# Altium PCB MB988.PcbDoc (part 4 of 4) (continued)
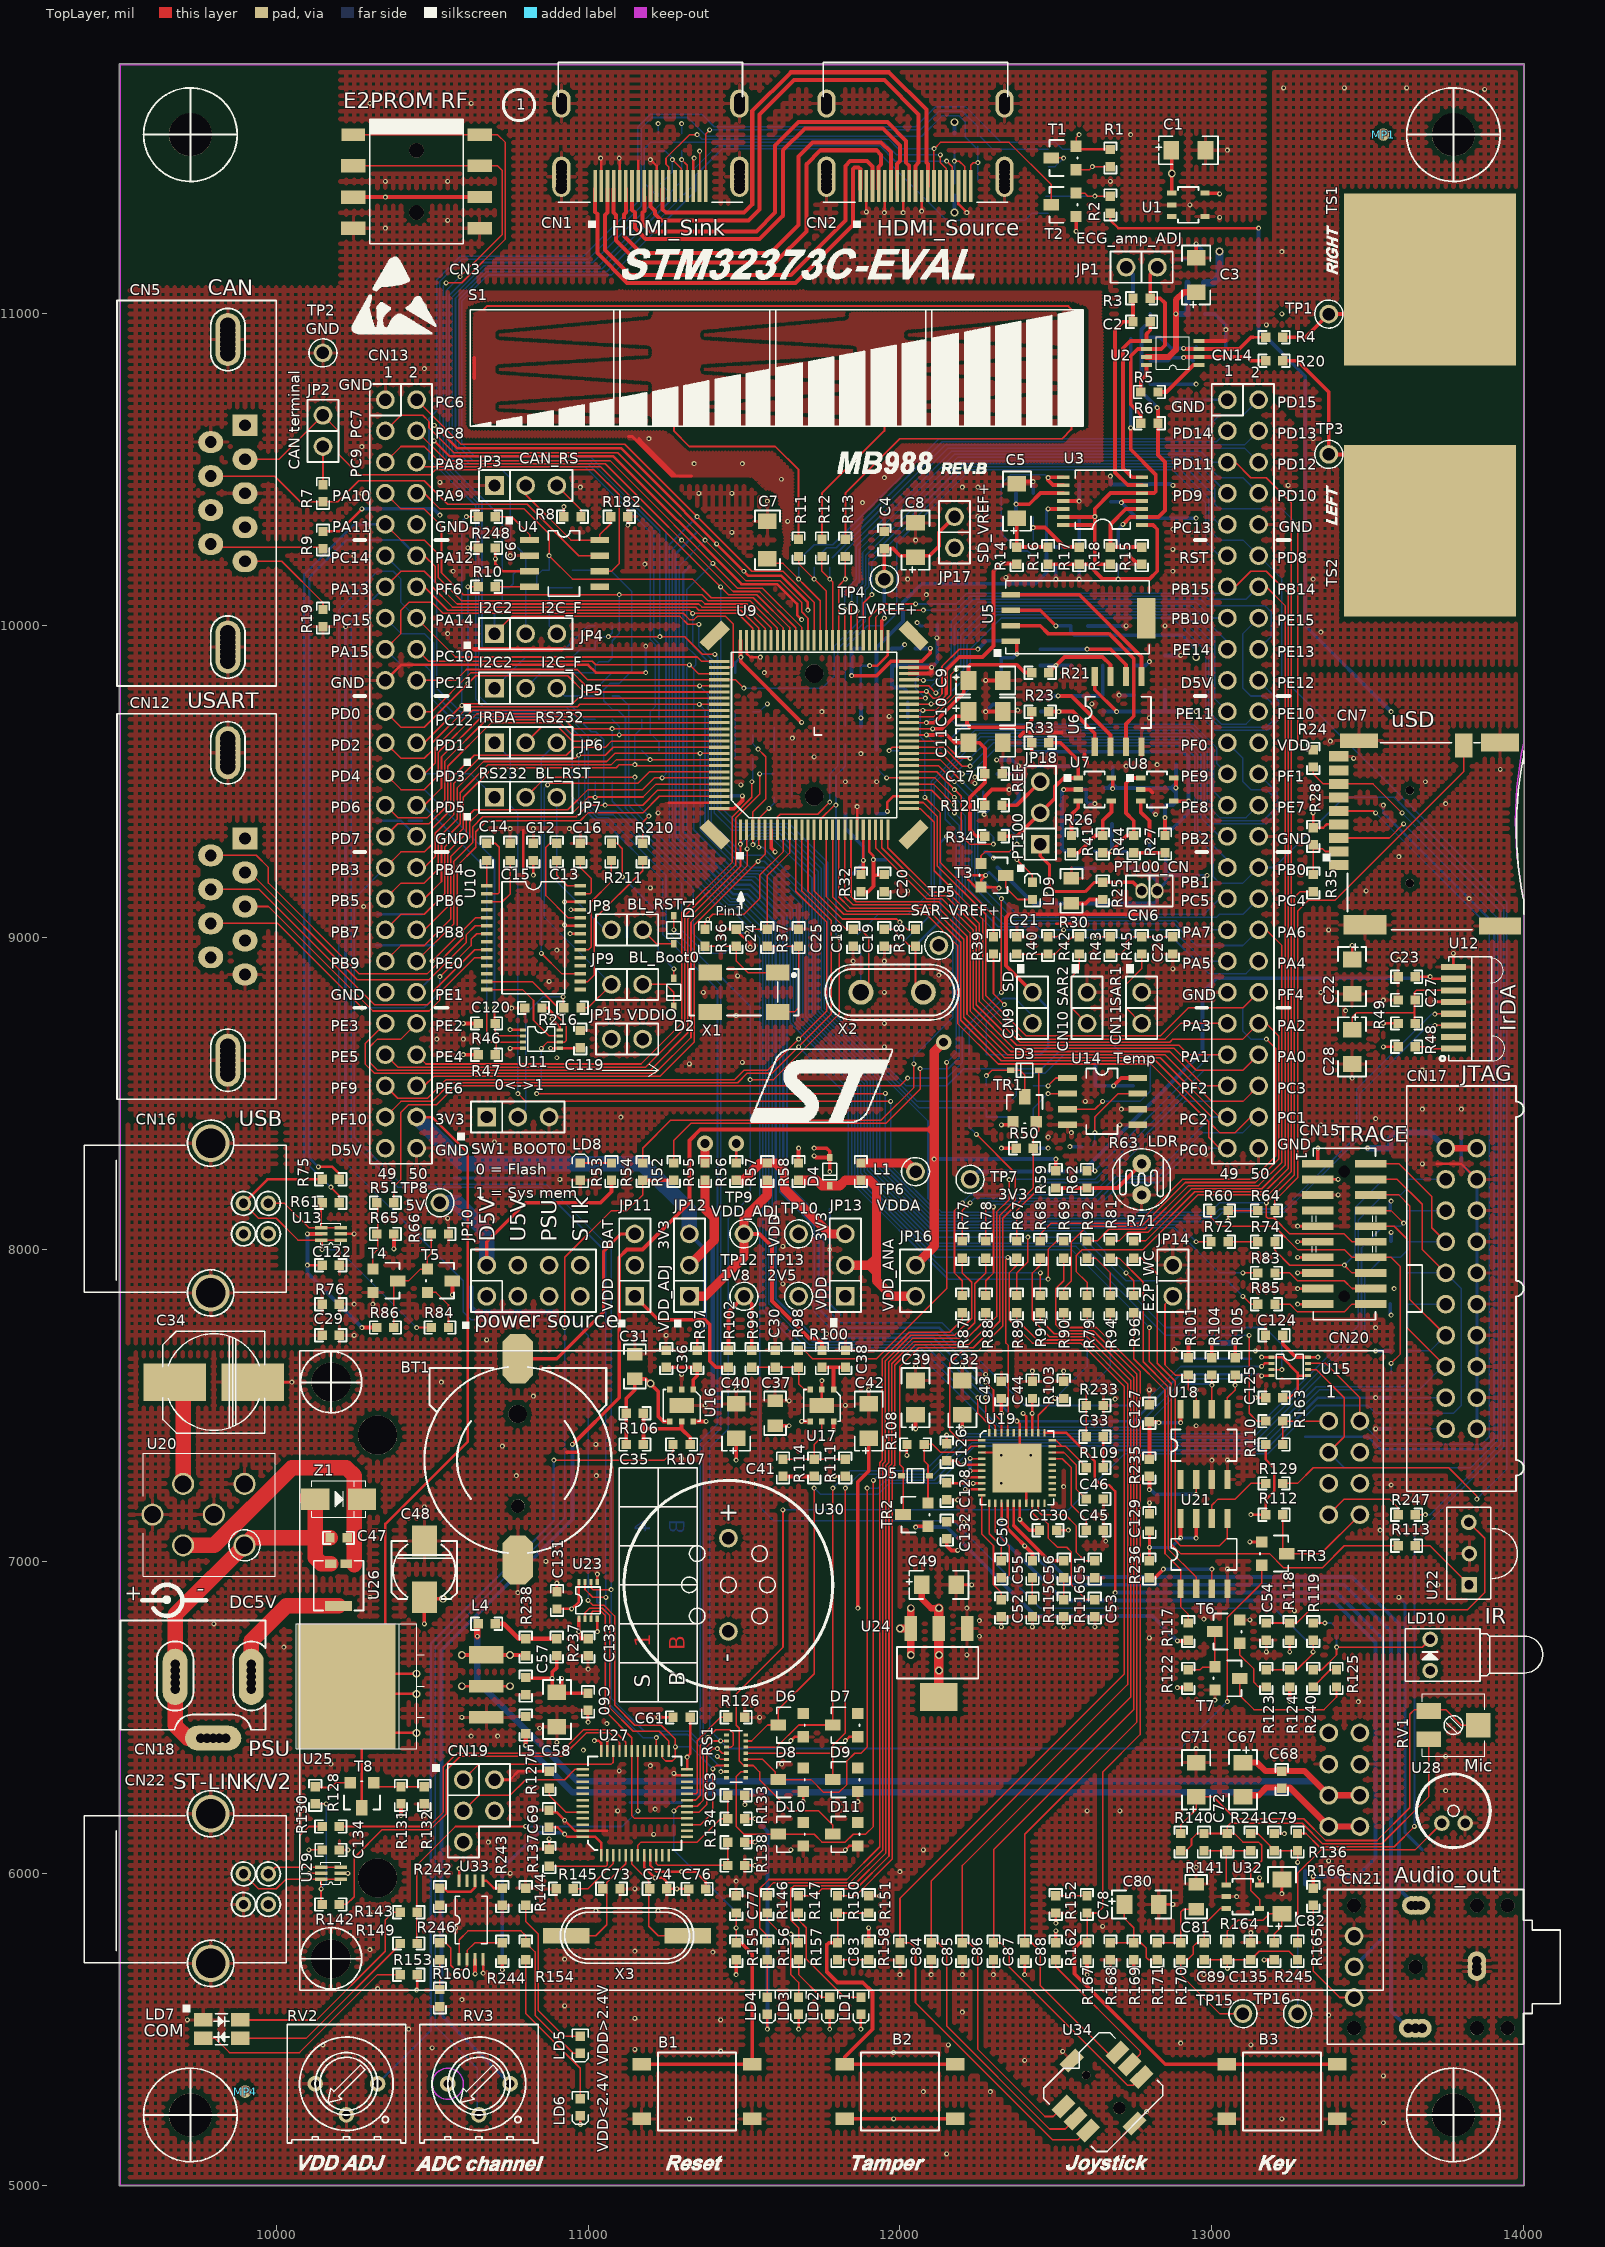
[diagram p0: TopLayer view]
## Nets (pads, with @x,y where several pads share a name; then routed paths per layer and width w, separated by ;. In a path a pad name is that pad's centre, name@x,y a point inside that pad or via, vN(x,y) a via of type N, cw(c..) or ccw(c..) an arc to the next point about the centre after c; other vN are vias at no path point) (continued)
  TopLayer w30: R55.1@11375,8277.5 v3(11375,8340)
  VCC w5: 13122.87,7697.15 13138.52,7704 ; 13142.87,7647.15 v1(13160,7655)
  VCC w8: v1(12022.5,7340) 12022.5,7137.5 v1(12050,7110) ; 13002.5,7062.5 v1(13122.5,7062.5) ; 13052.5,5722.5 v1(13167.5,5722.5) ; 13095,6550 v1(13250,6550)
  VCC w10: 11209,6527.5 11240,6527.5
  VCC w12: v1(10600,8725) 10620,8705 10620,8630 ; 10730,8625 10730,8685 v1(10750,8705) ; 12488.34,5825 v1@12499.17,5814.17
  VCC w20: 13464,7736 v1(13525,7675) ; 13500,7790 v1(13575,7790) ; 13500,8055 v1(13575,8055) ; 13500,8155 v1(13575,8155)
  BottomLayer w10: v1(12800.28,7045) 12870,7045 v1(12900,7075) v1(12950,7075)
  BottomLayer w12: v1(12050,7110) 12150,7110 12435,6825 12810,6825 v1(12890,6745) ; v1@12947.5,7072.5 v1(12950,7075) ; v1(13525,7675) R231.2@13572.5,7675 ; R228.2@13572.5,7825 13572.5,7792.5 v1(13575,7790) ; R225.2@13572.5,8125 13572.5,8152.5 v1(13575,8155) ; R227.2@13575,8027.5 v1(13575,8055)
  BottomLayer w20: v1(13500,8325) R224.2@13572.5,8325 13572.5,8357.5 13590,8375 13700,8375 CN17.1@13750,8325
  other v1: 11980,5212.5 12424.21,7475
VDD_ADJ: C31.1 C35.2 JP12.1 R57.2 R100.2 R106.1 TP9.1 U16.4 | length 1814.4
  TopLayer w12: C35.2@11122.5,7375 11122.5,7522.5 11150,7550 C31.1@11150,7585 11185,7585 11225,7545 11225,7465 11241.18,7448.82 U16.4@11262.6,7448.82 ; TP9.1@11520,8050 TP9.1@11500,8050 11550,8050 11590,8010 11590,7835 11710,7715 11735,7715 11750,7700 R100.2@11750,7677.5
  TopLayer w30: JP12.1@11325,7850 11375,7850 11500,7975 TP9.1@11500,8050 11500,8100 11575,8175 R57.2@11575,8222.5
  VCC w12: v2(11200,7570) 11325,7695 JP12.1@11325,7850
VDD_ANA: C93.2 C95.1 C100.2 C105.2 C106.1 C107.2 C108.1 C109.1 C111.2 JP16.1 R27.1 R59.2 R180.2 R205.1 RV3.1 U3.4 U5.3 U6.8 U7.5 U8.5 | length 8011.6
  TopLayer w12: v1(10950,7375) 11100,7525 11100,7975 11125,8000 11175,8000 11325,8150 11325,8350 11360,8385 12110,8385 ; 12110,8365 12090,8385 12110,8405 ; U5.3@12355,10050 12450,10050 v1(12500,10000) ; R59.2@12500,8252.5 v1(12500,8290) ; U6.8@12625,9837.5 12625,9795 v1(12695,9725) ; v1(12682.08,9477.92) U7.5@12682.08,9508.47 ; v1(12710,10395) 12715,10400 U3.4@12775.98,10400 ; R27.1@12850,9327.5 v1(12850,9385) ; v1(12885,9480) U8.5@12885,9515
  TopLayer w30: JP16.1@12050,7950 12110,8010 12110,8635 v3(12140,8665)
  VCC w30: v1(12885,9480) 12985,9480
  BottomLayer w12: RV3.1@10750,5325 10530,5545 10530,6715 10950,7135 v1(10950,7375) ; v1(12110,8290) v1(12500,8290) ; v1(12500,10000) 12547.28,10000 C100.2@12547.56,9999.72 12547.56,9982.44 12560,9970 12905,9970 12950,9925 v2(12950,9900) ; R205.1@12652.5,9725 v1(12950,9725) ; C107.2@12657.15,9480 v1(12885,9480) ; C107.2@12667.08,9480 12682.08,9495 ; C93.2@12675.87,10398.15 12706.85,10398.15 12760,10345 v1(12950,10345) ; v1@12682.08,9480 C108.1@12682.08,9547.92 ; 12682.08,9492.92 12695,9480 ; R180.2@12802.5,10775 v1@12949.9,10775 ; v1(12850,9385) 12850,9422.85 C111.2@12852.44,9425.28 12875.28,9425.28 12885,9435 C109.1@12885,9555 ; 12850,9725 C106.1@12850,9795 ; 12885,9465 12870,9480 12885,9495
  other v1: 12950,10775.1
VDDA: C102.2 C103.2 C110.2 C117.1 L1.2 R32.1 R70.1 TP6.1 U9.21 U9.50 | length 1902.4
  TopLayer w8: v1(11882.48,9247.52) U9.21@11882.48,9345.87
  TopLayer w12: v1(11845,9840) 11925,9840 11971.22,9886.22 12071.22,9886.22 12097.56,9912.56 v1(12097.56,9927.44) ; R32.1@11882.48,9202.52 v1(11882.48,9247.52)
  TopLayer w30: L1.2@11875,8277.5 12022.5,8277.5 TP6.1@12050,8250
  VCC w12: v1(12015,9940) 12085,9940 v1(12097.56,9927.44)
  VCC w30: v1(11882.48,9247.52) 11882.48,9282.48 11999,9399 11999,9924 v1(12015,9940)
  BottomLayer w12: C110.2@11825.28,9397.56 11825.28,9349.72 11882.48,9292.52 11882.48,9237.48 C117.1@11850,9205 ; v1(11845,9840) 11845,9920 11852.5,9927.5 R70.1@11875,9927.5 ; C102.2@11974.72,9924.72 C102.2@11977.44,9927.44 ; C102.2@11974.72,9927.44 12002.44,9927.44 v1(12015,9940) ; C103.2@12049.72,9927.44 v1(12097.56,9927.44)
VDDIO: C59.1 C99.1 C112.1 C115.1 D4.1 JP13.1 JP15.1 R58.1 R80.1 U9.28 U9.75 U9.100 | length 998.6
  TopLayer w8: v1(11960,9405) 11960,9435 11978.15,9453.15 U9.28@12029.13,9453.15
  TopLayer w12: U9.100@11420.87,9413.78 11468.78,9413.78 11495,9440 v1(11495,9455) ; U9.75@11488.78,9954.13 11488.78,9901.22 v1(11490,9900) 11490,9885 v1(11684.73,9690.27) ; R58.1@11675,8277.5 v1(11675,8325) ; v1(11725,8300) 11730,8295 D4.1@11775,8295 ; v1(11725,8325) 11765,8325 11775,8315 v1(11775,8250)
  VCC w12: v1(11675,8325) 11700,8325
  BottomLayer w8: C99.1@11472.44,9850.28 11472.44,9882.44 v1(11490,9900)
  BottomLayer w12: C112.1@11457.28,9455 v1(11495,9455) ; R80.1@11875,9747.5 v1(11875,9705) 11875,9677.85 C115.1@11875.28,9677.56 ; C59.1@11924.72,9397.44 11952.44,9397.44 v1(11960,9405)
pads on no net: BT1.0 CN1.14 CN2.14 CN3.0 CN5.1 CN5.4 CN5.8 CN7.1 CN7.8 CN7.H CN12.1 CN12.4 CN12.9 CN15.0 CN15.7 CN19.5 CN20.0 CN20.4 CN20.5 CN20.6 CN21.0 D6.1 D7.1 D8.1 D9.1 D10.1 D11.1 MP1.0 MP2.0 MP3.0 MP4.0 RS1.1 RS1.2 RS1.15 RS1.16 U1.3 U4.5 U5.5 U9.0 U10.4 U10.8 U10.11 U10.12 U10.15 U10.18 U10.19 U10.21 U12.2 U16.3 U18.1 U19.20 U19.21 U19.22 U19.23 U19.24 U19.25 U19.26 U19.36 U27.11 U27.12 U27.13 U27.14 U27.21 U27.22 U27.28 U27.38 U27.39 U27.40 U27.41 U27.42 U27.43 U27.45 U27.46 U33.7 U34.H X1.2 X1.3

## Polygon pours and split planes (outlines as drawn)
TS_SHIELD on TopLayer "TopLayer-TS_SHIELD" (hatched 90Degree grid 10 track 10, remove dead copper, pour order 16): 10600,11075 12650,11075 12650,10525 12050,10525 11880,10355 11880,10150 11828.42,10098.42 11828.42,10025 11725,10025 11725,10055 11625,10155 11625,10375 11525,10475 11300,10475 11175,10600 10585,10600 10585,11075
SLD_3 on TopLayer "TopLayer-SLD_3" (hatched 90Degree grid 5 track 5, remove dead copper, pour order 14): 10700,11014.02 11853.55,11014.02 11853.55,10640.29 10700,10640.29
SLD_2 on TopLayer "TopLayer-SLD_2" (hatched 90Degree grid 5 track 5, remove dead copper, pour order 12): 11350,11014.02 12507.09,11014.02 12507.09,10640.29 11360,10640.29 11360,11014.02
SLD_1 on TopLayer "TopLayer-SLD_1" (hatched 90Degree grid 5 track 5, remove dead copper, pour order 10): 12507.09,11014.02 12592.25,11014.02 12592.25,10640.29 12015,10640.29 12015,11014.02 12505,11014.02
SLD_1 on TopLayer "TopLayer-SLD_1 1" (hatched 90Degree grid 5 track 5, remove dead copper, pour order 8): 10622.5,11014.02 11196.07,11014.02 11196.07,10640.29 10622.79,10640.29 10622.79,11014.02
NetC29_2 on TopLayer "TopLayer-NetC29_2" (hatched 90Degree grid 25 track 15, remove dead copper, pour order 6): 9505,8400 10000,8400 10000,7925 10175,7925 10175,7700 9500,7700 9500,8400
AGND on TopLayer "TopLayer-AGND" (hatched 90Degree grid 25 track 15, remove dead copper, pour order 4): 12345,9075 13025,9075 13025,10775 13175,10775 13300,10650 13300,9875 14000,9875 14000,11800 13200,11800 13200,11240 12675,11240 12675,10490 12080,10490 11905,10315 11905,9880 12000,9880 12000,9630 12060,9630 12060,9520 12345,9520
GND on TopLayer "TopLayer-GND" (hatched 90Degree grid 25 track 15, remove dead copper, pour order 2): 10205,11810 13205,11810 13205,11285 12695,11285 12695,10520 12090,10520 11920,10350 11920,10052.69 12115,9857.69 12115,9600.94 12310,9600.94 12370.94,9540 12370.94,9080 13080,9080 13080,10760 13230,10760 13330,10660 13330,9860 14030,9860 14030,5010 9530,5010 9530,11085 10205,11085
AGND on VCC "VCC-AGND" (hatched 90Degree grid 8 track 10, remove dead copper, pour order 56): 12410,9065 12935,9065 12935,10785 12950,10800 13155,10800 13295,10660 13295,9910 14000,9910 14000,11800 13050,11800 13050,11255 13040,11245 12700,11245 12665,11210 12665,10495 12085,10495 11900,10310 11900,10075 11995,9980 12095,9980 12095,9635 12180,9550 12250,9550 12250,9485 12220,9455 12220,9320 12240,9300 12400,9300 12420,9280 12450,9250 12450,9100 12345,9100 12325,9080 12325,8870 12395,8800 12460,8800 12460,8855 12360,8955 12360,9060 12365,9065
VDD_ANA on VCC "VCC-VDD_ANA" (hatched 90Degree grid 8 track 10, remove dead copper, pour order 54): 12944,10783.1 13025,10783.1 13025,8672 12975,8622 12130,8622 12121,8631 12121,8695 12925,8695 12952,8722 12952,9890 12940,9902 12940,10783.1
VDD on VCC "VCC-VDD" (hatched 90Degree grid 8 track 10, remove dead copper, pour order 52): 11496,5581.05 10635,5581.05 10610,5606.05 10610,5670 10635,5695 10690,5695 10715,5670 11365,5670 11405,5710 11490,5625 11490,5584
VDDIO on VCC "VCC-VDDIO" (hatched 90Degree grid 8 track 10, remove dead copper, pour order 50): 11840,7795 11981.72,7795 12000,7813.28 12000,8175 11932,8243 11932,8915 11830,9017 11830,9264 11969,9403 11969,9965 11920,9965 11870,10015 11820,10015 11820,9860 11487.9,9527.9 11480,9520 11480,9300 11605,9300 11605,9180 11135,8710 11135,8585 11080,8530 11080,8460 11615,8460 11690,8385 11690,8173.28 11813.28,8050 11813.28,7800 11840,7800
VDDA on VCC "VCC-VDDA" (hatched 90Degree grid 8 track 10, remove dead copper, pour order 48): 12080,8610 12080,8312 12120,8272 12120,8215 12100,8195 12000,8195 11952,8243 11952,8920 11845,9027 11845,9256 11889,9300 11890,9300 11890,9065 12015,8940 12015,8785 12080,8720
SAR_VREF+ on VCC "VCC-SAR_VREF+" (hatched 90Degree grid 8 track 10, remove dead copper, pour order 46): 12080,8920 12150,8920 12170,8940 12170,9010 12075,9105 12075,9845 12185,9955 12185,10250 12160,10250 12160,9975 12025,9840 12025,9385 11915,9275 11915,9070 12065,8920
TS_SHIELD on VCC "VCC-TS_SHIELD" (hatched 90Degree grid 8 track 10, remove dead copper, pour order 44): 10585,11075 10585,10605 11135,10605 11280,10460 11530,10460 11575,10415 11575,10180 11660,10095 11660,9795 11635,9770 11565,9770 11565,9732.56 11685,9732.56 11807.44,9855 11807.44,10075 11875,10142.56 11875,10320 12065,10510 12645.35,10510 12645.35,11075
+3V3 on VCC "VCC-+3V3" (hatched 90Degree grid 8 track 10, remove dead copper, pour order 42): 10450,10575 10450,8405 10564.17,8405 10599.17,8440 10599.17,8665 11000,8665 11054.72,8719.72 11120,8719.72 11570,9169.72 11570,9275 11535,9310 11475,9310 11475,9510 11561.28,9596.28 11655,9690 11655,9710 11640,9725 11568,9725 11548,9745 11548,9768 11564,9784 11632,9784 11640,9792 11640,10080 11550,10170 11550,10390 11500,10440 11272,10440 11138,10574 10450,10574
+3V3 on VCC "VCC-+3V3 1" (hatched 90Degree grid 8 track 10, remove dead copper, pour order 40): 13215,9740 13775,9740 13825,9690 13825,6085 13720,5980 13720,5340 13505,5125 9785,5125 9650,5260 9650,7185 10155,7185 10058,7088 10058,5824.15 10095,5824.15 10140.85,5870 10140.85,6095 10185.85,6140 10390,6140 10390,6232.32 10160,6232.32 10160,6655 10635,6655 10715,6735 10929.19,6735 10929.19,6495 10990,6434.19 11180,6434.19 11200.65,6454.84 11360.59,6454.84 11395,6420.43 11395,6330 11485,6240 11485,6135 11385,6035 11385,5620 11445,5560 11860,5560 11935,5485 11935,5225 12790,5225 13080,5515 13125,5560 13125,5831.93 13016.93,5940 13016.93,6189.39 13190,6362.46 13190,6569 13120,6569 13075,6614 13075,7520 13205,7650 13445,7650 13525,7730 13525,8350 13465,8410 13285,8410 13230,8465 13210,8485 13210,9740
VDD on VCC "VCC-VDD 1" (hatched 90Degree grid 8 track 10, remove dead copper, pour order 38): 10370,8005 10520,7855 10525,7850 10565,7850 10575,7860 10590,7875 10590,8015 10610,8035 10925,8035 10925,7990 10940,7975 10995,7975 11105,7865 11120,7850 11120,7790 11235,7790 11280,7835 11315,7870 11705,7870 11705,7830.8 11735,7800.8 11735,7705 11795,7645 12013.23,7645 12130,7528.23 12310,7528.23 12348.23,7490 12402.8,7490 12402.8,7470 12412.8,7460 12430,7460 12430,7490 12402.8,7517.2 12402.8,7727.2 12335,7795 12335,8500 12380,8545 12690,8545 12690,8495.42 12600,8495.42 12570,8465.42 12570,7910 12640,7840 12950,7840 12991.67,7798.33 12991.67,7678.56 12946.67,7633.56 12946.67,7525 12865,7443.33 12865,7150 12635,6920 12635,6280 12540,6185 11915,6185 11835,6265 11835,6615 11760,6690 11370,6690 11370,6545 11082.5,6545 11082.5,7300 11020,7300 10710,6990 10710,6750 10940,6750 10940,6500 10990,6450 11380.36,6450 11425,6405.36 11425,6335 11500,6260 11500,6121.77 11396.05,6017.82 11396.05,5630 11445,5581.05 11890,5581.05 11950,5521.05 11950,5201.14 11999.31,5201.14 11999.31,5235 12790.86,5235 13110,5554.14 13110,5818.2 12998.2,5930 12998.2,6200 13175,6376.8 13175,6560 13055,6680 13055,7515 13215,7675 13435,7675 13520,7760 13520,8340 13470,8390 13295,8390 13200,8485 13200,9736 13045,9736 13045,8669.72 12975.28,8600 12025,8600 12025,7810 11990,7775 11820,7775 11820,8025 11680,8165 11680,8385 11615,8450 11045,8450 11045,8555 11105,8615 11105,8700 11040,8700 11015,8675 10599,8675 10599,8145 10534.64,8080.64 10428.64,8080.64 10370,8022
+5V on VCC "VCC-+5V" (hatched 90Degree grid 8 track 10, remove dead copper, pour order 36): 10600,7990 10600,7935 10640,7895 10980,7895 11065,7810 11065,7575 10535,7045 10215,7045 10164.88,6994.88 10164.88,6670 10625,6670 10700,6745 10700,6990 11022,7312 11360,7312 11367,7305 11367,6710 11760,6710 11850,6620 11850,6260 11905,6205 12545,6205 12615,6275 12615,6925 12845,7155 12845,7445 12928.13,7528.13 12928.13,7630 12985,7686.87 12985,7775 12940,7820 12630,7820 12560,7890 12550,7900 12550,8490 12575,8515 12695,8515 12695,8535 12390,8535 12350,8495 12350,7800 12415,7735 12415,7530 12450,7495 12450,7465 12430,7445 12430,7105 12405,7080 12340,7080 12195,6935 12195,6610 12170,6585 12090,6585 12070,6605 12065,6610 12065,6960 12262.38,7157.38 12320,7215 12320,7360 12270,7410 12100,7410 11970,7540 11770,7540 11745,7515 11745,7270 11710,7235 11655,7235 11630,7260 11630,7355 11565,7420 11565,7525 11435,7655 11435,7850 11120,7850 11090,7880 11065,7905 11065,7960 11005,8020 10620,8020 10600,8000
+5V on VCC "VCC-+5V 1" (hatched 90Degree grid 8 track 10, remove dead copper, pour order 34): 10575,8145 10575,8365 10550,8390 10425,8390 10405,8410 10405,8470 10385,8490 10310,8490 10310,10915 10495,11100 12530,11100 12685,11255 13000,11255 13015,11240 13015,11195 13020,11190 13035,11190 13040,11195 13040,11385 13030,11395 12825,11395 12735,11305 10945,11305 10870,11380 10870,11785 10180,11785 10180,11075 9510,11075 9510,8350 10370,8350 10395,8325 10395,8220 10450,8165 10450,8115 10465,8100 10525,8100 10565,8140
D5V on VCC "VCC-D5V" (hatched 90Degree grid 8 track 8, remove dead copper, pour order 32): 13025,9835 13025,9785 13055,9755 13775,9755 13835,9695 13835,6085 13730,5980 13730,5340 13505,5115 9770,5115 9635,5250 9635,8050 9775,8190 10090,8190 10150,8130 10150,7913.55 10288.55,7775 10690,7775 10690,7855 10530,7855 10409.64,7975.36 10409.64,8287.25 10371.89,8325 9527.5,8325 9527.5,5020 13990,5020 13990,9885 13060,9885 13025,9850
E5V on VCC "VCC-E5V" (hatched 90Degree grid 8 track 10, remove dead copper, pour order 30): 10875,7850 10835,7850 10820,7835 10820,7700 10650,7530 9810,7530 9655,7375 9655,7220 9670,7205 10500,7205 10920,7625 10920,7835 10905,7850
U5V_ST_LINK on VCC "VCC-U5V_ST_LINK" (hatched 90Degree grid 8 track 10, remove dead copper, pour order 28): 10975,7850 10950,7825 10950,7615 10500,7165 10175,7165 10055,7045 10055,6005 9970,5920 9970,5830 10000,5800 10060,5800 10140,5880 10140,6105 10185,6150 10390,6150 10410,6170 10410,6195 10390,6215 10180,6215 10140,6255 10140,6990 10210,7060 10530,7060 11050,7580 11050,7825 11030,7845 10975,7845
+1V8 on VCC "VCC-+1V8" (hatched 90Degree grid 8 track 10, remove dead copper, pour order 26): 11450,7785 11450,7660 11575,7535 11575,7420 11640,7355 11640,7270 11660,7250 11700,7250 11725,7275 11725,7480 11590,7615 11590,7830 11565,7855 11480,7855 11450,7825
+2V5 on VCC "VCC-+2V5" (hatched 90Degree grid 8 track 10, remove dead copper, pour order 24): 12085,6675 12085,6630 12110,6605 12170,6605 12185,6620 12185,6940 12335,7090 12400,7090 12415,7105 12415,7373 12360,7428 12360,7475 12325,7510 12120,7510 12000,7630 11800,7630 11726.5,7703.5 11726.5,7820 11686.5,7860 11670,7860 11630,7820 11630,7690 11765,7555 11975,7555 12105,7425 12275,7425 12340,7360 12340,7215 12085,6960
HDMI_5V_SINK on VCC "VCC-HDMI_5V_SINK" (hatched 90Degree grid 10 track 10, remove dead copper, pour order 22): 11125,11800 12100,11800 12100,11590 12133.84,11556.16 12305,11556.16 12373.84,11625 12800,11625 12800,11400 12725,11325 10950,11325 10950,11800
HDMI_5V_SOURCE on VCC "VCC-HDMI_5V_SOURCE" (hatched 90Degree grid 10 track 10, remove dead copper, pour order 20): 12100,11790 13175,11790 13175,11390 12825,11390 12825,11640 12355,11640 12285,11570 12160,11570 12140,11590 12125,11590 12125,11790
U5V on VCC "VCC-U5V" (hatched 90Degree grid 8 track 10, remove dead copper, pour order 18): 10710,7855 10810,7855 10810,7708.28 10650,7548.28 9810,7548.28 9711.72,7450 9635,7450 9635,8048 9767,8180 10100.96,8180 10150,8130.96 10150,7915 10264.98,7800.02 10685,7800.02 10695.02,7790 10695.02,7850
GND on BottomLayer "BottomLayer-GND" (hatched 90Degree grid 25 track 15, remove dead copper, pour order 58): 10175,11800 14000,11800 14000,5000 9500,5000 9500,11075 10175,11075
no net on TopOverlay (hatched 90Degree grid 5 track 5): 6860,10275 6860,10649.02 6785,10634 6785,10275
no net on TopOverlay (hatched 90Degree grid 5 track 5): 4965,10275 4965,10287 4900,10275 4965,10275
no net on TopOverlay (hatched 90Degree grid 5 track 5): 5065,10275 5065,10306 4985,10291 4985,10275 5065,10275
no net on TopOverlay (hatched 90Degree grid 5 track 5): 5165,10275 5165,10325 5085,10310 5085,10275
no net on TopOverlay (hatched 90Degree grid 5 track 5): 5265,10275 5265,10344 5185,10329 5185,10275 5264,10275
no net on TopOverlay (hatched 90Degree grid 5 track 5): 5360,10275 5360,10362 5285,10348 5285,10275 5359,10275
no net on TopOverlay (hatched 90Degree grid 5 track 5): 5380,10275 5380,10366 5465,10383 5465,10275
no net on TopOverlay (hatched 90Degree grid 5 track 5): 5565,10275 5565,10401 5485,10386 5485,10275
no net on TopOverlay (hatched 90Degree grid 5 track 5): 5665,10275 5665,10421 5585,10405 5585,10275
no net on TopOverlay (hatched 90Degree grid 5 track 5): 5765,10275 5765,10440 5685,10425 5685,10275 5763,10275
no net on TopOverlay (hatched 90Degree grid 5 track 5): 5860,10275 5860,10458 5785,10444 5785,10275 5859,10275
no net on TopOverlay (hatched 90Degree grid 5 track 5): 5880,10275 5880,10462 5965,10478 5965,10275
no net on TopOverlay (hatched 90Degree grid 5 track 5): 6065,10275 6065,10498 5985,10482 5985,10275 6064,10275
no net on TopOverlay (hatched 90Degree grid 5 track 5): 6165,10275 6165,10516 6085,10501 6085,10275
no net on TopOverlay (hatched 90Degree grid 5 track 5): 6265,10275 6265,10535 6185,10520 6185,10275
no net on TopOverlay (hatched 90Degree grid 5 track 5): 6360,10275 6360,10553 6285,10539 6285,10275
no net on TopOverlay (hatched 90Degree grid 5 track 5): 6380,10275 6380,10557 6465,10573 6465,10275
no net on TopOverlay (hatched 90Degree grid 5 track 5): 6685,10275 6685,10615 6765,10630 6765,10275
no net on TopOverlay (hatched 90Degree grid 5 track 5): 6585,10275 6585,10596 6665,10611 6665,10275
no net on TopOverlay (hatched 90Degree grid 5 track 5): 6485,10275 6485,10577 6565,10592 6565,10275
GND on GND (split plane): 13982.11,5017.89 9517.89,5017.89 9517.89,11100 10160,11100 10160,11782.11 13982.11,11782.11
GND on GND (split plane): 11220.67,7045.92 11220.67,6927.16 11102.16,6927.16 11102.16,7047.84 11221.46,7047.84
HDMI_5V_SOURCE on GND (split plane): 11341.59,6929.33 11229.33,6929.33 11229.33,7041.59 11341.59,7041.59

## Keep-outs
KeepOutLayer:
  circle w5: c10550,5325 r50
  lines w4: 11100,6550 11100,6675 ; 11100,6800 11225,6800 11350,6800 ; 11100,6925 11225,6925 11350,6925 ; 11100,7050 11225,7050 11350,7050 ; 11225,6550 11225,6675 ; 11225,7300 11225,7175 ; 11100,6675 11225,6675 ; 11100,6675 11100,7175 ; 11100,7175 11100,7300 11350,7300 11350,7175 ; 11100,7175 11225,7175 ; 11225,6675 11350,6675 11350,7175 ; 11225,6675 11225,7175 ; 11225,7175 11350,7175
  lines w5: 9500,6450 9500,8170 9500,11800 14000,11800 14000,9623.99 ccw(c15173.78,9374.49) 14000,9125 14000,5000 9500,5000 9500,6458.87 ; 11100,6550 11350,6550 11350,6675

## Other copper
TopLayer:
  text "1" at 11200,6725 h50 r90
  text "B" at 11310,6715 h50 r90
VCC:
  text "2" at 11200,6845 h50 r90
  text "B" at 11310,6845 h50 r90
BottomLayer:
  text "4" at 11200,7135 h50 r90
  text "B" at 11310,7135 h50 r90
GND (plane layer: these items are gaps in the copper):
  rectangle: 9500,11100 10160,11800
  region: 11100,6925 11100,7050 11075,7050 11075,6925
  region: 11375,6925 11375,7050 11350,7050 11350,6925
  region: 11375,7050 11375,7320 11075,7320 11075,7050
  rectangle: 11075,6525 11375,6925
  lines w4: 11100,6550 11100,6675 ; 11100,6800 11220,6800 ; 11100,6925 11225,6925 11350,6925 ; 11100,7050 11225,7050 11350,7050 ; 11220,6675 11225,6675 ; 11225,6550 11225,6675 ; 11225,6800 11350,6800 ; 11350,6550 11350,6675 ; 11100,6675 11225,6675 ; 11100,6675 11100,7175 11225,7175 ; 11225,6675 11225,7175 ; 11225,6675 11350,6675 ; 11225,7175 11350,7175 11350,6675
  lines w8: 11905,6460 11905,6470 ; 11225,6925 11225,7045.92 11345.92,7045.92 11345.92,6925 11225,6925
  text "3" at 11200,7010 h50 r90
  text "B" at 11310,7010 h50 r90

## Silkscreen, mask and mechanical layers (free items; w line width, h text height)
TopOverlay:
  drawing of 6264 lines, arcs and shapes, not listed
  text "E2PROM RF" at 10215,11660 h50
  text "1" at 10770,11655 h35
  text "HDMI_Sink" at 11075,11250 h50
  text "HDMI_Source" at 11925,11250 h50
  text "ECG_amp_ADJ" at 12565,11225 h35
  text "CAN" at 9780,11060 h50
  text "GND" at 10095,10935 h35
  text "1" at 13040,10800 h35
  text "1" at 10345,10795 h35
  text "2" at 10425,10795 h35
  text "2" at 13125,10795 h35
  text "GND" at 10200,10755 h35
  text "PC6" at 10510,10700 h35
  text "PD15" at 13210,10700 h35
  text "GND" at 12870,10685 h35
  text "PC7" at 10275,10600 h35 r90
  text "PC8" at 10510,10600 h35
  text "PD14" at 12875,10600 h35
  text "PD13" at 13210,10600 h35
  text "CAN_RS" at 10780,10520 h35
  text "CAN terminal" at 10075,10500 h35 r90
  text "PA8" at 10510,10500 h35
  text "PD11" at 12875,10500 h35
  text "PD12" at 13210,10500 h35
  text "PC9" at 10275,10475 h35 r90
  text "PA10" at 10180,10400 h35
  text "PA9" at 10510,10400 h35
  text "PD9" at 12875,10400 h35
  text "PD10" at 13210,10400 h35
  text "PA11" at 10180,10300 h35
  text "GND" at 10510,10300 h35
  text "GND" at 13215,10300 h35
  text "PC13" at 12875,10297.5 h35
  text "PC14" at 10175,10200 h35
  text "PA12" at 10510,10200 h35
  text "SD_VREF+" at 12285,10200 h35 r90
  text "RST" at 12895,10200 h35
  text "PD8" at 13210,10200 h35
  text "PA13" at 10175,10100 h35
  text "PF6" at 10510,10100 h35
  text "PB15" at 12870,10100 h35
  text "PB14" at 13210,10100 h35
  text "I2C2" at 10650,10040 h35
  text "I2C_F" at 10850,10040 h35
  text "SD_VREF+" at 11800,10035 h35
  text "PB10" at 12870,10005 h35
  text "PC15" at 10180,10000 h35
  text "PA14" at 10510,10000 h35
  text "PE15" at 13210,10000 h35
  text "PE14" at 12875,9905 h35
  text "PA15" at 10175,9900 h35
  text "PE13" at 13210,9900 h35
  text "PC10" at 10510,9885 h35
  text "I2C2" at 10650,9865 h35
  text "I2C_F" at 10850,9865 h35
  text "GND" at 10175,9800 h35
  text "PC11" at 10510,9800 h35
  text "D5V" at 12900,9800 h35
  text "PE12" at 13210,9800 h35
  text "USART" at 9715,9735 h50
  text "PD0" at 10175,9700 h35
  text "PE11" at 12885,9700 h35
  text "PE10" at 13210,9700 h35
  text "IRDA" at 10650,9690 h35
  text "RS232" at 10830,9690 h35
  text "PC12" at 10510,9680 h35
  text "uSD" at 13575,9675 h50
  text "PD2" at 10175,9600 h35
  text "PD1" at 10510,9600 h35
  text "PF0" at 12900,9600 h35
  text "VDD" at 13210,9600 h35
  text "RS232" at 10650,9510 h35
  text "BL_RST" at 10830,9510 h35
  text "PD4" at 10175,9500 h35
  text "PD3" at 10510,9500 h35
  text "PE9" at 12900,9500 h35
  text "PF1" at 13210,9500 h35
  text "REF" at 12395,9465 h35 r90
  text "PD6" at 10175,9400 h35
  text "PD5" at 10510,9400 h35
  text "PE8" at 12900,9400 h35
  text "PE7" at 13210,9400 h35
  text "PD7" at 10175,9300 h35
  text "GND" at 10510,9300 h35
  text "PB2" at 12900,9300 h35
  text "GND" at 13210,9300 h35
  text "PT100" at 12395,9250 h35 r90
  text "PT100_CN" at 12685,9210 h35
  text "PB3" at 10175,9200 h35
  text "PB4" at 10510,9200 h35
  text "PB0" at 13210,9200 h35
  text "PB1" at 12900,9160 h35
  text "PB5" at 10175,9100 h35
  text "PB6" at 10510,9100 h35
  text "PC5" at 12900,9100 h35
  text "PC4" at 13210,9100 h35
  text "BL_RST" at 11125,9090 h35
  text "Pin1" at 11410,9070 h30
  text "SAR_VREF+" at 12035,9070 h35
  text "PB7" at 10175,9000 h35
  text "PB8" at 10510,9000 h35
  text "PA7" at 12905,9000 h35
  text "PA6" at 13210,9000 h35
  text "BL_Boot0" at 11130,8920 h35
  text "PB9" at 10175,8900 h35
  text "PE0" at 10510,8900 h35
  text "PA5" at 12905,8900 h35
  text "PA4" at 13210,8900 h35
  text "SD" at 12365,8825 h35 r90
  text "GND" at 10175,8800 h35
  text "PE1" at 10510,8800 h35
  text "GND" at 12905,8800 h35
  text "PF4" at 13210,8800 h35
  text "SAR2" at 12540,8780 h35 r90
  text "SAR1" at 12710,8780 h35 r90
  text "VDDIO" at 11125,8735 h35
  text "PE3" at 10175,8700 h35
  text "PE2" at 10510,8700 h35
  text "PA3" at 12905,8700 h35
  text "PA2" at 13210,8700 h35
  text "IrDA" at 13975,8700 h50 r90
  text "PE5" at 10175,8600 h35
  text "PE4" at 10510,8600 h35
  text "PA1" at 12900,8600 h35
  text "PA0" at 13210,8600 h35
  text "Temp" at 12685,8595 h35
  text "JTAG" at 13800,8540 h50
  text "0<->1" at 10700,8510 h35
  text "PF9" at 10175,8500 h35
  text "PE6" at 10510,8500 h35
  text "PF2" at 12900,8500 h35
  text "PC3" at 13210,8500 h35
  text "PC1" at 13210,8405 h35
  text "PF10" at 10175,8400 h35
  text "3V3" at 10510,8400 h35
  text "PC2" at 12895,8400 h35
  text "USB" at 9880,8395 h50
  text "TRACE" at 13400,8345 h50
  text "LDR" at 12795,8330 h35
  text "GND" at 13210,8320 h35
  text "BOOT0" at 10760,8305 h35
  text "D5V" at 10175,8300 h35
  text "GND" at 10510,8300 h35
  text "PC0" at 12895,8300 h35
  text "0 = Flash" at 10640,8240 h35
  text "49" at 10325,8225 h35
  text "50" at 10425,8225 h35
  text "49" at 13025,8225 h35
  text "50" at 13125,8225 h35
  text "1 = Sys mem" at 10640,8165 h35
  text "3V3" at 12315,8160 h35
  text "5V" at 10415,8125 h35
  text "VDDA" at 11925,8125 h35
  text "VDD_ADJ" at 11395,8105 h35
  text "D5V" at 10700,8025 h50 r90
  text "U5V" at 10800,8025 h50 r90
  text "PSU" at 10900,8025 h50 r90
  text "STlk" at 11000,8025 h50 r90
  text "3V3" at 11765,8025 h35 r90
  text "VDD" at 11615,8005 h35 r90
  text "BAT" at 11080,8000 h35 r90
  text "3V3" at 11260,8000 h35 r90
  text "1V8" at 11425,7900 h35
  text "2V5" at 11575,7900 h35
  text "VDD" at 11765,7805 h35 r90
  text "VDD" at 11080,7800 h35 r90
  text "VDD_ANA" at 11980,7800 h35 r90
  text "E2P_WC" at 12815,7800 h35 r90
  text "power source" at 10635,7750 h50
  text "VDD_ADJ" at 11260,7735 h35 r90
  text "+" at 9520.91,6925 h50 r270
  text "-" at 9745.91,6890 h50
  text "DC5V" at 9850,6850 h40
  text "IR" at 13875,6800 h50
  text "B" at 11310,6600 h50 r90
  text "S" at 11200,6595 h50 r90
  text "PSU" at 9910,6375 h50
  text "Mic" at 13810,6325 h40
  text "ST-LINK/V2" at 9670,6270 h50
  text "Audio_out" at 13585,5970 h50
  text "COM" at 9575,5475 h40
  text "VDD>2.4V" at 11065,5385 h35 r90
  text "VDD<2.4V" at 11065,5105 h35 r90
BottomOverlay:
  drawing of 2834 lines, arcs and shapes, not listed
  text "B" at 11200,7250 h50 r90
  text "B" at 11310,7250 h50 r90
Mechanical1:
  lines w5: 9500,5000 14000,5000 14000,9125 cw(c15173.78,9374.49) 14000,9623.99 14000,11800 9500,11800 9500,8170 9500,6458.87 9500,5000

## Text inside footprints (layer, text, board x,y; h text height)
CN15: TopOverlay "1" at 13271,8314 h35 r270
CN20: TopOverlay "1" at 13365,7525 h40
U30: TopOverlay "+" at 11425,7190 h60 r270; TopOverlay "-" at 11425,6705 h60 r270